# KiCad board V1.1_version_control_final.kicad_pcb (continued)
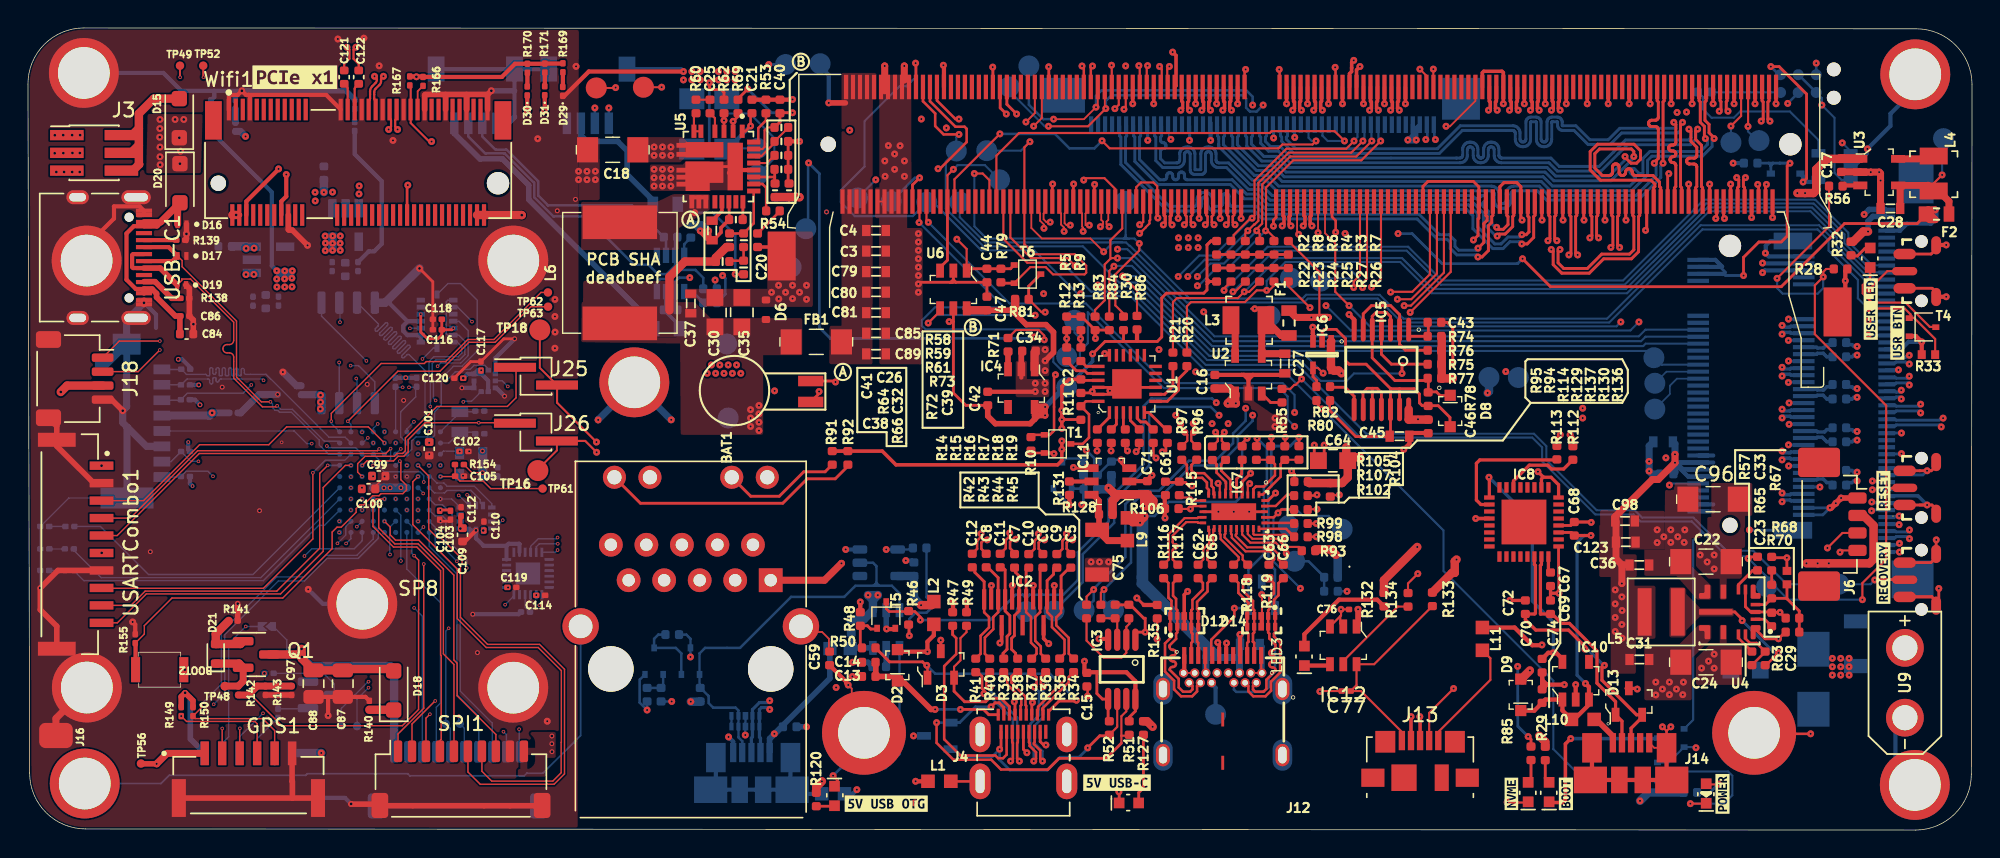
[diagram p0: board, top side]
## Routing (per net, layer and track width the routed paths; a pad name or vN(x,y) marks a point on that pad's centre or on a via; arc(x,y) is an arc through that point) (continued)
/NextPx4/SDMMC1_D2: length 21.3
  Bottom w0.1: U22.B9 22.67,28.12 21.52,28.12 17.02,32.61 15.58,32.61 arc(15.5,32.65) 15.47,32.73 15.47,32.92 arc(15.44,33) 15.36,33.04 arc(15.28,33) 15.24,32.92 15.24,32.56 arc(15.23,32.53) 15.19,32.51 15.07,32.51 arc(15.03,32.53) 15.02,32.56 15.02,32.96 arc(14.99,33.04) 14.91,33.08 arc(14.83,33.04) 14.79,32.96 14.79,32.56 arc(14.78,32.53) 14.74,32.51 14.62,32.51 arc(14.58,32.53) 14.57,32.56 14.57,32.97 arc(14.54,33.05) 14.46,33.09 arc(14.38,33.05) 14.34,32.97 14.34,32.56 arc(14.33,32.53) 14.29,32.51 14.17,32.51 arc(14.13,32.53) 14.12,32.56 14.12,32.98 arc(14.09,33.06) 14.01,33.09 arc(13.93,33.06) 13.89,32.98 13.89,32.56 arc(13.88,32.53) 13.84,32.51 13.72,32.51 arc(13.68,32.53) 13.67,32.56 13.67,32.98 arc(13.64,33.06) 13.56,33.09 arc(13.48,33.06) 13.44,32.98 13.44,32.73 arc(13.41,32.65) 13.33,32.61 arc(13.25,32.65) 13.22,32.73 13.22,32.98 arc(13.19,33.06) 13.11,33.09 arc(13.03,33.06) 12.99,32.98 12.99,32.56 arc(12.98,32.53) 12.94,32.51 12.82,32.51 arc(12.78,32.53) 12.77,32.56 arc(12.76,32.6) 12.72,32.61 11.33,32.61 R161.1 10.94,32.97 SDCard1.1
/NextPx4/SDMMC1_D3: length 18.2
  In3_SIGNAL.Cu w0.1: v4(24.3,28.07) 21.65,28.07 17.53,32.19 v4(16.84,32.19)
  Bottom w0.1: v4(16.84,32.19) 16.75,32.28 13.78,32.28 arc(13.7,32.25) 13.67,32.18 arc(13.64,32.1) 13.56,32.07 13.55,32.07 arc(13.47,32.1) 13.44,32.18 13.44,32.33 arc(13.43,32.37) 13.39,32.38 13.27,32.38 arc(13.23,32.37) 13.22,32.33 13.22,32.04 arc(13.18,31.96) 13.1,31.92 arc(13.03,31.96) 12.99,32.04 12.99,32.17 arc(12.96,32.25) 12.88,32.28 11.36,32.28 R162.1 10.93,31.87 SDCard1.2 ; U22.B8 23.93,27.7 v4(24.3,28.07)
/NextPx4/SPI1_MISO: length 12.8
  In3_SIGNAL.Cu w0.1: v4(27.89,22.1) 27.89,21.41 29.45,19.85 31.09,19.85 34.32,16.62 34.32,16.62 34.85,16.09 v4(36.57,16.09)
  Bottom w0.1: v4(36.57,16.09) 36.27,16.09 35.95,16.42 U26.9
/NextPx4/SPI1_MOSI: length 12.2
  In3_SIGNAL.Cu w0.1: v4(28.28,21.69) 28.28,21.34 29.54,20.08 37.83,20.08 v4(37.87,20.04)
  Bottom w0.1: U26.24 37.72,19.89 v4(37.87,20.04) ; U22.K3 v4(28.28,21.69)
/NextPx4/SPI1_SCK: length 13.4
  In3_SIGNAL.Cu w0.1: v4(37.88,20.49) 29.7,20.49 28.65,21.53 28.65,22.14 v4(27.89,22.9)
  Bottom w0.1: U26.23 36.35,20.27 36.57,20.49 v4(37.88,20.49)
/NextPx4/SPI2_MISO: length 5.6
  Bottom w0.1: U24.1 33.17,23.37 31.91,24.62 29.96,24.62 29.74,24.84 29.23,24.84 28.77,25.3 U22.E2
/NextPx4/SPI2_MOSI: length 4.7
  Bottom w0.1: U22.F2 29.07,24.12 29.78,24.12 29.97,24.31 31.26,24.31 31.27,24.31 31.67,24.31 32.34,23.65 32.34,23.42 U24.14
/NextPx4/SPI2_SCK: length 9.6
  In3_SIGNAL.Cu w0.1: v4(31.4,23.99) 30.48,24.91 v4(28.3,24.91)
  Bottom w0.1: U22.C7 25.16,26.44 25.16,25.96 25.48,25.64 28.03,25.64 28.3,25.37 v4(28.3,24.91) ; U24.13 32.04,23.5 31.54,23.99 v4(31.4,23.99)
/NextPx4/SPI3_MISO: length 15.3
  In3_SIGNAL.Cu w0.1: v4(25.49,28.5) 27.67,30.68 29.08,30.68 v4(29.15,30.75)
  Bottom w0.1: 30.41,37.92 30.02,37.92 29.9,37.8 29.9,35.54 30.02,35.42 30.81,35.42 31.24,34.98 31.24,34.05 30.85,33.65 29.17,33.65 28.9,33.39 28.9,32.31 28.99,32.22 28.99,30.9 v4(29.15,30.75)
/NextPx4/SPI3_MOSI: length 11.9
  In3_SIGNAL.Cu w0.1: v4(28.77,30.31) 28.77,30.3 28.06,29.59 27.44,29.59 26.7,28.85 26.7,27.32 v4(26.66,27.28) 26.67,27.28
  Bottom w0.1: v4(26.66,27.28) 26.29,26.91 U22.C5 ; 30.41,34.92 30.7,34.92 31.02,34.6 31.02,34.14 30.76,33.88 29.02,33.88 28.68,33.54 28.68,32.22 28.77,32.13 v4(28.77,30.31)
/NextPx4/SPI3_SCK: length 9
  In3_SIGNAL.Cu w0.1: v4(28.21,33.72) 26.49,33.72 25.57,32.8 25.57,29.63 v4(25.01,29.07)
  Bottom w0.1: v4(28.21,33.72) 28.99,34.5 U25.8 ; U22.A7 24.69,28.75 v4(25.01,29.07)
/NextPx4/SPI4_MISO: length 37.9
  Top w0.1: SPI1.6 31.46,4.16 32.33,3.28 37.62,3.28 38.36,4.02 38.36,11.5 36.58,13.29 32.86,13.29 30.92,15.23 30.92,18.96 31.04,19.08 31.04,19.4 29.55,20.89 29.3,20.89 28.65,21.53 28.65,25.34 v4(27.89,26.1)
/NextPx4/SPI4_MOSI: length 35.6
  Top w0.1: v4(27.89,25.3) 27.52,24.93 27.52,21.86 30.7,18.68 30.7,15.13 32.77,13.06 36.49,13.06 38.14,11.41 38.14,6.28 38.13,6.27 38.13,4.11 37.53,3.51 33.16,3.51 32.46,4.21 SPI1.7
/NextPx4/SPI4_SCK: length 20.7
  Top w0.1: v4(25.49,22.1) 25.9,21.69 25.9,21.13 26.28,20.75 27.95,20.75 30.45,18.24 30.45,12.17 30.68,11.94 30.68,9.61 33.46,6.84 SPI1.8
/NextPx4/SWDIO: length 20.6
  Top w0.1: TP62.1 36.69,38.48 33.32,35.11 31.45,35.11 29.87,33.53 28.48,33.53 28.34,33.39 25.26,33.39 21.69,29.82 v4(21.69,29.26)
  Bottom w0.1: v4(21.69,29.26) 21.69,29.1 U22.A10
/NextPx4/UART4_RX: length 35.7
  Top w0.1: v4(23.9,26.09) 24.22,26.41 26.14,26.41 26.47,26.75 26.88,26.75 27.19,27.06 27.19,27.94 28.4,29.15 v4(32.23,29.15) 34.79,29.15 J26.1 ; J18.2 7.88,32.81 v4(9.43,34.36)
  In3_SIGNAL.Cu w0.1: v4(23.9,26.09) 23.51,25.7 21.2,25.7 12.53,34.37 9.44,34.37 v4(9.43,34.36)
/NextPx4/UART4_TX: length 41.2
  Top w0.1: J25.1 34.9,33.05 34.9,30.94 34.28,30.32 29.24,30.32 26.98,28.06 26.98,27.15 26.79,26.95 26.39,26.95 26.19,26.75 24.1,26.75 23.57,26.22 23.57,25.62 v4(23.89,25.3) ; v4(9.43,35) 6.53,35 J18.1
  In3_SIGNAL.Cu w0.1: v4(23.89,25.3) 24.27,25.68 24.27,26.25 24.06,26.46 23.51,26.46 23.51,26.46 20.77,26.46 12.23,35 v4(9.43,35)
/NextPx4/UART5_RX: length 23
  In3_SIGNAL.Cu w0.1: v4(15.57,14.57) 15.57,15.8 18.28,18.51 18.67,18.51 v4(19.77,19.61)
  Bottom w0.1: v4(19.77,19.61) 20.29,20.13 23.33,20.13 23.89,20.69 U22.K8 ; U23.2 v4(15.57,14.57) 14.35,13.35 14.35,6.67 13.88,6.2 RC1.5
/NextPx4/UART5_TX: length 31
  In3_SIGNAL.Cu w0.1: v4(23.52,21.72) 23.52,20.36 23.72,20.16 27.82,20.16 28.84,19.14 28.84,13.58 23.86,8.6 17.05,8.6 v4(16.8,8.35)
  Bottom w0.1: v4(16.8,8.35) 15.13,6.68 RC1.4 ; 23.89,22.09 v4(23.52,21.72)
  Bottom w0.125: U22.J8 23.89,22.09
/NextPx4/UART7_RX: length 29.6
  Top w0.1: GPS1.2 v4(13.89,7.27)
  In3_SIGNAL.Cu w0.1: v4(13.89,7.27) 13.89,8.11 15.09,9.31 17.58,9.31 17.68,9.21 23.9,9.21 28.44,13.74 28.44,17.49 v4(26.67,19.26)
  Bottom w0.1: 26.66,19.26 26.66,22.53 U22.H5
  Bottom w0.125: v4(26.67,19.26) 26.66,19.26
/NextPx4/UART7_TX: length 28.2
  Top w0.1: v4(15.15,7.28) 15.14,7.27 GPS1.3
  In3_SIGNAL.Cu w0.1: v4(15.15,7.28) 16.76,8.89 23.87,8.89 28.64,13.66 28.64,17.92 26.84,19.72 v4(25.89,19.72)
  Bottom w0.1: U22.J5 25.86,21.67 25.86,19.75
  Bottom w0.125: v4(25.89,19.72) 25.86,19.75
/NextPx4/USART1_CK: length 25.2
  Top w0.1: v4(23.1,26.1) 22.69,26.1 21.11,24.52 21.11,19.95 18.06,16.9 8.46,16.9 6.39,14.83 USARTCombo1.10
  Bottom w0.125: U22.D9 v4(23.1,26.1)
/NextPx4/USART1_RX: length 24.3
  Top w0.1: v4(21.43,26.1) 20.86,25.53 20.86,20.17 17.79,17.1 8.38,17.1 7.36,16.08 USARTCombo1.9
  Bottom w0.125: v4(21.43,26.1) 21.43,26.1 U22.D10
/NextPx4/USART1_TX: length 24.6
  Top w0.1: USARTCombo1.8 5.29,17.3 16.83,17.3 20.37,20.84 v4(20.37,25.57)
  Bottom w0.1: v4(20.37,25.57) 21.27,26.47 22.66,26.47 U22.C9
/NextPx4/USART2_CK: length 24.6
  Top w0.1: USARTCombo1.5 6.38,21.08 12.25,26.95 25.58,26.95 v4(25.93,27.3)
  Bottom w0.1: U22.D6 25.93,26.54 v4(25.93,27.3)
/NextPx4/USART2_RX: length 22.4
  Top w0.1: v4(25.12,27.28) 24.99,27.15 12.13,27.15 7.31,22.33 USARTCombo1.4
  Bottom w0.1: U22.C6 v4(25.12,27.28)
/NextPx4/USART2_TX: length 22.9
  Top w0.1: 5.25,23.57 USARTCombo1.3 8.27,23.58 12.27,27.58 17.22,27.58 18.49,28.85 24.34,28.85 v4(25.49,27.7)
/NextPx4/USART3_CK: length 20.7
  In3_SIGNAL.Cu w0.1: v4(23.09,22.9) 23.09,20.31 23.64,19.76 25.33,19.76 28.23,16.86 28.23,13.83 24.6,10.19 v4(24.35,10.19)
  Bottom w0.1: TP67.1 23.53,9.37 v4(24.35,10.19)
/NextPx4/USART3_RX: length 20.5
  In3_SIGNAL.Cu w0.1: v4(22.13,20.52) 23.33,19.32 25.2,19.32 27.61,16.92 27.61,15.9 v4(27.61,15.9)
  Bottom w0.1: v4(22.13,20.52) 22.72,21.11 22.72,21.73 U22.J9 ; DSHOT1.8 28.2,15.31 v4(27.61,15.9)
/NextPx4/USART3_TX: length 19.7
  In3_SIGNAL.Cu w0.1: v4(22.75,20.51) 22.75,20.37 23.6,19.52 25.29,19.52 28.03,16.77 28.03,13.93 24.72,10.62 v4(24.35,10.62)
  Bottom w0.1: v4(22.75,20.51) 23.09,20.86 U22.K9 ; v4(24.35,10.62) 24.32,10.62 22.4,8.7 TP59.1
/NextPx4/USB_OTG_FS_D_N: length 25.6
  Top w0.1: v4(17.34,30.65) 16.69,30.65 14.91,32.43 14.91,36.43 11.02,40.32 11.02,40.76 D17.2
  Top w0.3: USB-C1.A7 10.33,40.72 D17.2 10.06,41.72 USB-C1.B7
  Bottom w0.1: U22.C10 21.49,26.9 20.82,27.57 20.82,27.92 18.83,29.91 17.99,29.91 17.85,30.04 17.68,30.04 17.49,30.23 17.49,30.5 v4(17.34,30.65)
/NextPx4/USB_OTG_FS_D_P: length 25.6
  Top w0.1: v4(17.81,30.37) 17.74,30.29 16.77,30.29 14.71,32.35 14.71,33.85 arc(14.62,34.06) 14.41,34.15 14.24,34.15 arc(14.03,34.24) 13.94,34.45 arc(14.03,34.66) 14.24,34.75 14.41,34.75 arc(14.62,34.84) 14.71,35.05 14.71,36.35 11.62,39.44 11.62,39.44 11,39.44 11,39.34 D19.2
  Top w0.3: USB-C1.B6 7.52,40.22 7.45,40.3 7.45,41.15 7.52,41.22 USB-C1.A6
  Top w0.4: D19.2 9.45,40.22 USB-C1.B6
  Bottom w0.1: v4(17.81,30.37) 18.07,30.11 18.91,30.11 21.19,27.83 22.16,27.83 U22.B10
/SoM/PMIC_BBAT: length 29.8
  Top w0.18: v1(65.08,47.33) 65.21,47.33 67.12,49.24 67.12,50.19 66.97,50.34 66.32,50.34 64.5,52.16 M1.235
  Top w0.2: v1(57.74,32.07) 57.67,32.14 BAT1.+
  In3_SIGNAL.Cu w0.2: v1(57.74,32.07) 60.15,32.07 61.37,33.29 61.37,42.29 65.08,46 v1(65.08,47.33)
/Supply/\~{PWR_SET}: length 2.9
  Top w0.2: IC5.1 98.73,35.34 100.13,35.34 100.13,36.34
/Supply/FAN_PMW_5V: length 81.4
  Top w0.15: v1(129.57,19.89) 129.69,20.01 J6.4 ; v1(64.37,36.29) 65.22,37.14 U6.4
  In3_SIGNAL.Cu w0.15: v1(111.17,29.49) 111.77,28.89 117.67,28.89 126.92,19.64 129.32,19.64 v1(129.57,19.89)
  In5_3V3_SYS_SIGNAL.Cu w0.125: v1(111.17,29.49) 106.67,33.99 90.07,33.99 89.52,34.54 89.52,39.04 88.17,40.39 81.87,40.39 77.82,36.34 72.53,36.34 v1(72.02,36.85)
  Bottom w0.15: v1(64.37,36.29) 64.95,36.87 72,36.87 v1(72.02,36.85)
/Supply/FAN_TACH_5V: length 74.9
  Top w0.15: v1(72.74,37.07) 72.48,37.07 R81.1 ; J6.3 129.74,21.26 v1(128.67,20.19)
  Top w0.2: R81.1 71.55,38.92 T6.3
  In3_SIGNAL.Cu w0.15: v1(128.67,20.19) 126.87,20.19 117.87,29.19 112.17,29.19 v1(111.17,30.19)
  In5_3V3_SYS_SIGNAL.Cu w0.125: v1(111.17,30.19) 110.87,30.19 106.77,34.29 90.22,34.29 89.82,34.69 89.82,39.14 88.27,40.69 81.62,40.69 77.92,36.99 72.81,36.99 v1(72.74,37.07)
/Supply/Q: length 12.9
  Top w0.2: IC5.3 97.43,36.76 97.13,37.05 96.4,37.05 96.12,36.77 96.12,35.82 IC5.5 96.12,35.8 96.12,33.8 97.74,32.18 99.95,32.18 100.13,32.35 100.13,31.36 100.16,31.33 100.18,31.36 100.71,31.36 100.98,31.1 101.68,31.1
/Supply/QDEL: length 24.9
  Top w0.2: 97.43,31.6 95.69,33.34 94.47,33.34 94.21,33.6 94.21,35.17 93.55,35.83 92.69,35.83 92.54,35.68 IC6.2 ; 97.43,31.6 IC5.12 97.43,28.43 97.16,28.16 94.95,28.16 93.07,30.04 93.07,30.65 93.09,30.68 ; 97.43,31.6 97.44,31.59 98.08,31.59 ; IC5.13 98.08,31.59 ; 98.08,31.59 99.12,31.59 99.5,31.21 99.5,30.57 99.7,30.37 100.84,30.37 101.68,29.53 101.68,28.99
/Supply/VDRV_5V_DCDC: length 1.6
  Top w0.25: 48.92,43.61 49.62,44.31 49.62,44.96
/USB/C_CC1: length 21.8
  Top w0.18: v1(89.89,28.11) 89.89,27.49 89.87,27.46 ; v1(87.89,28.03) 87.89,27.51 87.84,27.46 ; J12.A5 84.61,12.56 84.61,13.62 86.26,15.27 v1(86.26,15.88)
  In2.Cu w0.18: v1(89.89,28.11) 89.27,27.48 88.44,27.48 v1(87.89,28.03)
  Bottom w0.18: v1(86.26,15.88) 86.27,15.89 D11.2 87.27,18.64 88.37,19.74 88.37,24.5 88.59,24.72 88.59,27.33 v1(87.89,28.03)
/USB/C_CC2: length 25.5
  Top w0.2: v1(88.9,28.11) 88.9,27.51 88.85,27.46 ; 90.88,27.47 v1(90.88,28.11)
  Bottom w0.18: 88.94,18.86 89.17,18.64 D11.1 89.17,11.34 88.72,10.89 88.72,10.24 88.37,9.89 86.39,9.89 86.23,10.05 J12.B5
  Bottom w0.2: 89.16,27.48 90.26,27.48 v1(90.88,28.11) ; 89.16,27.48 89.03,27.48 88.9,27.36 ; 89.16,27.48 89.04,27.48 88.9,27.62 ; 88.9,27.62 v1(88.9,28.11) ; 88.9,27.62 88.9,27.36 ; 88.9,27.36 88.9,24.59 88.68,24.37 88.68,19.13 88.94,18.86
/USB/C_USBSS_RX1_N: length 11.4
  Top w0.182: J12.B10 83.6,10.31 83.6,9.92 83.25,9.57 82.45,9.57 81.95,10.07 81.95,10.69 81.3,11.34 81.3,13.36 81.76,13.82 81.76,14.06 81.68,14.14 81.68,15.74 81.76,15.82 81.76,16.41 81.55,16.63 81.55,17.68 R116.2
/USB/C_USBSS_RX1_P: length 11.4
  Top w0.182: J12.B11 83.26,10.31 83.26,10.06 83.11,9.91 82.59,9.91 82.29,10.21 82.29,10.82 81.64,11.47 arc(81.7,11.62) 81.84,11.68 81.88,11.68 arc(82.03,11.74) 82.09,11.88 arc(82.03,12.02) 81.88,12.08 81.84,12.08 arc(81.7,12.14) 81.64,12.29 arc(81.7,12.43) 81.84,12.49 81.88,12.49 arc(82.03,12.55) 82.09,12.69 arc(82.03,12.84) 81.88,12.9 81.84,12.9 arc(81.7,12.96) 81.64,13.1 81.64,13.22 82.1,13.68 82.1,14.06 82.18,14.14 82.18,15.74 82.1,15.82 82.1,16.55 81.88,16.77 81.88,17.68 R117.2
/USB/C_USBSS_RX2_N: length 6.1
  Top w0.182: R118.2 86.55,17.69 86.55,16.98 87.26,16.26 87.26,15.82 87.18,15.74 87.18,14.14 87.26,14.06 87.26,13.48 87.18,13.4 J12.A10
/USB/C_USBSS_RX2_P: length 6.1
  Top w0.182: R119.2 86.88,17.69 86.88,17.11 87.6,16.4 87.6,15.82 87.68,15.74 87.68,14.14 87.6,14.06 87.6,13.48 87.68,13.4 J12.A11
/USB/C_USBSS_RX6_N: length 3.7
  Top w0.182: R97.2 82.87,26.13 82.87,25.61 83.27,25.21 83.97,25.21 84.3,24.87 84.3,24.49 84.44,24.35 84.44,24.03 IC7.10
/USB/C_USBSS_RX6_P: length 3.8
  Top w0.182: R96.2 83.2,26.13 83.2,25.75 83.4,25.54 84.1,25.54 84.63,25.01 84.63,24.63 84.77,24.48 84.77,24.03 IC7.9
/USB/C_USBSS_TX1_N: length 6.1
  Top w0.182: C65.1 84.34,17.68 84.34,17.08 83.6,16.33 83.6,15.82 83.68,15.74 83.68,14.14 83.6,14.06 83.6,13.48 83.68,13.4 J12.A3
/USB/C_USBSS_TX1_P: length 6.1
  Top w0.182: C62.1 84.01,17.68 84.01,17.22 83.26,16.47 83.26,15.82 83.18,15.74 83.18,14.14 83.26,14.06 83.26,13.48 83.18,13.4 J12.A2
/USB/C_USBSS_TX2_N: length 11.5
  Top w0.182: J12.B3 87.26,10.31 87.26,9.92 87.61,9.57 88.49,9.57 88.89,9.97 88.89,10.62 89.54,11.27 89.54,13.41 89.1,13.85 89.1,14.06 89.18,14.14 89.18,15.74 89.1,15.82 89.1,16.48 89.42,16.8 89.42,17.67 C66.1
/USB/C_USBSS_TX2_P: length 11.5
  Top w0.182: J12.B2 87.6,10.31 87.6,10.06 87.75,9.91 88.35,9.91 88.55,10.11 88.55,10.76 89.2,11.41 89.2,11.45 arc(89.14,11.59) 89,11.65 88.96,11.65 arc(88.81,11.71) 88.75,11.85 arc(88.81,12) 88.96,12.06 89,12.06 arc(89.14,12.12) 89.2,12.26 arc(89.14,12.4) 89,12.46 88.96,12.46 arc(88.81,12.52) 88.75,12.67 arc(88.81,12.81) 88.96,12.87 89,12.87 arc(89.14,12.93) 89.2,13.07 89.2,13.27 88.76,13.71 88.76,14.06 88.68,14.14 88.68,15.74 88.76,15.82 88.76,16.62 89.09,16.94 89.09,17.67 C63.1
/USB/C_USBSS_TX6_N: length 2.9
  Top w0.182: R95.2 84.99,26.18 84.99,25.59 85.66,24.92 85.66,24.83 85.66,24.83 85.66,24.4 85.62,24.36 IC7.7
/USB/C_USBSS_TX6_P: length 2.9
  Top w0.182: IC7.6 86.02,24.36 85.99,24.39 85.99,25.06 85.32,25.72 85.32,26.18 R94.2
/USB/CC1: length 5.1
  Top w0.15: IC7.2 87.62,24.42 ; 87.84,26.5 88.85,26.5
  Top w0.18: R137.2 89.16,26.19 89.16,25.38 88.37,24.59 87.81,24.59 87.62,24.4 IC7.2
/USB/CC2: length 4.4
  Top w0.15: 90.88,26.51 90.87,26.5 89.87,26.5
  Top w0.18: IC7.1 88.29,24.01 89.57,25.29 89.57,26.2 R130.1
/USB/DBG_USB_D_N: length 16.6
  Top w0.23: IC8.15 108.22,19.01 108.15,18.94 108.15,15.47 108.15,15.46 C69.2 108.99,15.46 109.67,14.79 110.22,14.79 112.19,12.82 112.19,10.52 113.52,9.19 D13.1 113.98,7.79 J14.2
/USB/DBG_USB_D_P: length 19.6
  Top w0.23: IC8.14 107.72,19.01 107.79,18.94 107.79,15.53 107.73,15.46 C70.2 107.07,15.06 107.81,14.31 110.16,14.31 111.33,13.14 v1(111.33,12.95) ; 112.67,11.79 112.55,11.67 112.55,10.72 115.02,8.25 D13.2 115.42,8.07 114.63,7.28 J14.3
  Bottom w0.23: 112.67,11.79 111.51,12.95 v1(111.33,12.95)
  vias: v1(112.72,11.79)
/USB/EN_MUX: length 12
  Top w0.15: 92.12,22.98 92.1,22.96 91.5,22.96 ; IC7.12 83.33,23.18 v1(83.13,22.98) 82.4,22.98
  In2.Cu w0.15: v1(92.18,22.96) 91.75,23.39 88.57,23.39 88.27,23.69 83.83,23.69 v1(83.13,22.98)
/USB/OTG_USB_ID: length 30.3
  Bottom w0.18: 60.67,17.69 60.67,18.89 60.43,19.13 U8.2 ; 60.67,17.69 60.87,17.49 ; 60.67,17.69 60.47,17.49 ; 60.67,17.69 60.67,17.49 ; 60.87,17.49 61.77,17.49 62.32,16.94 IC9.3 ; 60.87,17.49 60.67,17.49 ; 60.47,17.49 59.17,17.49 58.37,16.69 54.57,16.69 50.92,13.04 48.42,13.04 48.02,12.64 T7.1 48.02,10.22 R108.1 ; 60.47,17.49 60.67,17.49 ; R108.1 48.08,10.17 48.67,9.59 48.67,9.09 48.99,8.76 50.59,8.76 50.8,8.55 D10.4 50.8,6.63 51.08,6.36 J11.4 ; R108.1 48.05,10.17
/USB/OTG_USB_VBUS: length 27.6
  In5_3V3_SYS_SIGNAL.Cu w0.18: v1(46.03,9.2) 46.65,9.2 49.77,6.09 52.57,6.09 v1(53.37,6.89)
  Bottom w0.18: v1(46.03,9.2) R110.1
  Bottom w0.3: 57.34,10.86 v1(53.37,6.89) 53.48,6.89 C73.2 53.03,6.43 J11.1
  Bottom w0.4: J11.1 53.03,6.55 57.34,10.86 L7.2
/USB/USB2_VBUS: length 14.7
  Top w0.15: R133.2 96.26,11.87 IC12.6 95,10.37 C77.1 95.31,9.95 98.24,7.02 J13.1
/USB/USB_DBG_VBUS: length 2.3
  Top w0.4: L10.1 112.14,7.92 113.33,6.73 J14.1
/USB/USBC_ADDR: length 8.6
  Top w0.15: v1(89.97,19.82) 89.22,20.57 87.41,20.57 86.82,21.15 IC7.22
  Bottom w0.18: TP44.1 91.57,19.24 92.68,18.12 92.68,17.09
  Bottom w0.2: v1(89.97,19.82) 89.99,19.82 TP44.1
/USB/USBC_FAULT: length 3.6
  Top w0.15: v1(89.82,20.99) 89.68,21.13 87.68,21.13 87.62,21.18 IC7.24
  Bottom w0.18: v1(89.82,20.99) 89.82,21.39 90.12,21.69 TP46.1
/USB/USBC_ID: length 43.5
  Top w0.18: 90.53,22.94 89.63,22.94 v1(89.39,22.7) 89.07,22.38 IC7.27
  In5_3V3_SYS_SIGNAL.Cu w0.18: v1(90.99,17.3) 90.68,17.61 86.57,17.61 81.84,12.88 78.9,12.88 77.83,13.95 77.83,20.81 v1(75.34,23.3)
  Bottom w0.15: TP45.1 93.02,22.49 91.17,22.49 90.67,22.99 89.68,22.99 v1(89.39,22.7) 89.06,22.37 89.06,19.23 v1(90.99,17.3)
  Bottom w0.18: R123.1 75.47,24.89 ; 75.47,24.89 75.47,24.47 ; 75.47,24.89 75.47,23.43 v1(75.34,23.3)
  Bottom w0.2: T9.1 75.43,24.44 75.47,24.47
/USB/USBC_INTN: length 4.7
  Top w0.15: 91.09,20.07 90.89,20.27 89.91,20.27 89.33,20.85 87.56,20.85 87.22,21.18 IC7.23
/USB/USBC_SCL: length 2.1
  Top w0.18: IC7.26 90.49,21.98 90.53,21.94
/USB/USBC_SDA: length 2.7
  Top w0.18: IC7.25 89.97,21.56 90.53,20.99
/USB/USBC_VBUS: length 60.2
  Top w0.15: 80.75,15.15 80.75,13.68 v1(80.74,13.67)
  Top w0.18: J12.A4 84.18,11.29 J12.B9 ; v1(87.17,28.04) 86.82,27.69 R114.2
  Top w0.3: 86.8,27.49 86.82,27.46 ; J12.A9 86.67,12.51 v1(86.67,14)
  Top w0.5: L9.2 78.66,22.4 79.69,22.4 79.76,22.32 ; L9.2 78.75,22.48 v1(79.86,22.48) 79.86,22.38 79.5,22.03 ; L9.2 78.97,21.99 v1(79.52,21.99)
  In3_SIGNAL.Cu w0.15: v1(80.74,13.67) 80.74,12.62 81.37,11.99 83.89,11.99 84.23,11.65 J12.B9
  Bottom w0.18: v1(87.17,28.04) 86.82,27.69 86.82,23.94 86.37,23.49 81.57,23.49 80.56,22.48 v1(79.86,22.48)
  Bottom w0.5: J12.B4 86.63,12.35 ; 86.63,12.35 86.63,13.25 C78.2 86.67,14 v1(86.67,14) ; 86.63,12.35 85.58,12.35 ; J12.B9 84.23,12.35 ; 84.23,12.35 84.23,12.45 ; 84.23,12.35 85.58,12.35 ; 84.23,12.45 84.88,12.45 ; 84.23,12.45 84.23,12.9 ; 79.52,18.09 79.52,17.61 79.98,17.15 ; 79.52,18.09 79.52,22.08 79.84,22.4 ; 79.52,18.09 85.02,12.59 ; 85.02,12.59 84.88,12.45 ; 85.02,12.59 85.26,12.35 85.58,12.35 ; 84.88,12.45 84.68,12.45 84.23,12.9 ; v1(79.86,22.48) 79.86,17.27 79.98,17.15 ; 84.23,12.9 79.98,17.15
/USB/USBSS_RX1_N: length 5.3
  Top w0.16: R116.1 81.57,19.36 81.57,21.19 82.7,22.33 83.63,22.33 83.68,22.38 IC7.14
/USB/USBSS_RX1_P: length 5.3
  Top w0.16: R117.1 81.86,19.36 81.86,20.03 arc(81.9,20.13) 82,20.17 82.07,20.17 arc(82.17,20.21) 82.21,20.31 arc(82.17,20.41) 82.07,20.45 82,20.45 arc(81.9,20.5) 81.86,20.6 81.86,21.07 82.82,22.04 83.63,22.04 83.68,21.98 IC7.15
/USB/USBSS_RX2_N: length 3.3
  Top w0.16: IC7.18 85.22,21.21 85.28,21.15 85.28,20.83 86.57,19.54 86.57,19.36 R118.1
/USB/USBSS_RX2_P: length 3.3
  Top w0.16: IC7.19 85.62,21.21 85.56,21.15 85.56,20.95 86.86,19.65 86.86,19.36 R119.1
/USB/USBSS_TX1_N: length 2.9
  Top w0.16: C65.2 84.32,19.36 84.32,19.99 84.75,20.42 84.75,21.51 IC7.17
/USB/USBSS_TX1_P: length 2.9
  Top w0.16: IC7.16 84.47,21.51 84.47,20.54 84.04,20.11 84.04,19.36 C62.2
/USB/USBSS_TX2_N: length 5
  Top w0.16: IC7.21 86.42,21.21 86.36,21.15 86.36,21.05 87.18,20.23 88.93,20.23 89.39,19.77 89.39,19.37 C66.2
/USB/USBSS_TX2_P: length 5
  Top w0.16: C63.2 89.11,19.37 89.11,19.65 88.81,19.95 87.06,19.95 86.08,20.93 86.08,21.15 86.02,21.21 IC7.20
/USB/~{OTG_USB_FAULT}: length 13.6
  Top w0.2: 57.87,3.37 57.87,3.59 v1(57.57,3.89)
  Bottom w0.18: v1(57.57,3.89) 58.12,4.44 61.32,4.44 62.32,5.44 IC9.4
/USB/~{USB2_FAULT}: length 1.9
  Top w0.15: 93,11.77 IC12.4
  Top w0.3: LED3.2 93,11.77
/Wifi Module/LED 1: length 24.9
  Top w0.3: 15.62,44.02 15.62,45 17.92,47.3 v1(17.92,47.32) ; D30.1 35.7,51.5 v1(35.71,51.49)
  In3_SIGNAL.Cu w0.3: v1(35.71,51.49) 22.09,51.49 v1(17.92,47.32)
/Wifi Module/LED 2: length 24.5
  Top w0.3: 18.12,44.02 18.12,45 18.47,45.35 v1(18.47,46.92) ; 36.95,52.59 36.95,51.5 v1(36.94,51.49)
  In3_SIGNAL.Cu w0.3: v1(36.94,51.49) 36.41,50.96 22.51,50.96 v1(18.47,46.92)
/Wifi Module/WAKE: length 1.8
  Top w0.125: R166.2 27.87,52.88 27.87,51.57
\PEWAKE_3V3: length 56.2
  Top w0.15: 78.5,53.18 78.5,51.72 v1(78.37,51.59)
  In2.Cu w0.15: v1(77.91,41.57) 77.91,41.95 78.07,42.11 78.07,51.29 v1(78.37,51.59)
  Bottom w0.15: v1(77.91,41.57) 78.61,41.57 84.84,35.34 115.18,35.34 115.65,35.81 J7.54
CAN_RXD: length 54.7
  Top w0.18: v1(89.47,54.44) 89.5,54.41 M1.143
  In2.Cu w0.15: v1(49.13,39.37) 49.22,39.45 49.22,40.84 53.07,44.69 53.07,52.69 54.47,54.09 85.97,54.09 86.87,54.99 89.27,54.99 89.47,54.79 v1(89.47,54.44)
  Bottom w0.18: R88.2 49.13,38.86 v1(49.13,39.37)
CAN_TXD: length 52.4
  Top w0.18: v1(87.07,54.44) 87,54.37 M1.145
  In2.Cu w0.15: v1(49.67,39.69) 49.57,39.79 49.57,40.59 53.47,44.49 53.47,52.49 54.77,53.79 86.17,53.79 86.82,54.44 v1(87.07,54.44)
  Bottom w0.18: v1(49.67,39.69) 49.87,39.49 49.87,38.35 R87.2
Core_3V3: length 62.9
  Top w0.1: v3(32.5,25.58) 31.75,25.58 R154.1
  Top w0.138: TP49.1 10.87,53.89 v4(10.88,53.88)
  Top w0.2: v4(29.49,22.91) 30.16,22.91 C103.1 ; 29.59,36.58 C118.1 C116.1 ; C116.1 29.59,35.44 29.31,35.16 28.57,35.16 28.08,35.64 v4(28.08,36.92) ; C116.1 30.3,35.81 v4(30.41,35.92) ; 30.2,22.91 30.25,22.85
  Top w0.3: C112.2 30.92,22.42 v3(30.92,21.58)
  Top w0.4: R150.2 11.8,9.27 v3(11.24,9.83) 10.96,9.55 R149.2
  In5_3V3_SYS_SIGNAL.Cu w0.138: 11.86,33.78 12.25,34.17 12.25,52.51 v4(10.88,53.88)
  Bottom w0.3: U27.10 32.16,32.91 U27.1 ; U27.10 32.42,32.65 32.91,32.16 U27.6 ; U27.10 31.43,32.65 v3(31.12,32.34) ; v4(11.77,24.62) 11.58,24.81 R165.2 ; C94.1 24.37,41.42 24.76,41.42 25.29,41.95 25.29,46.45 23.36,48.38 D22.2 ; U27.1 v4(32.41,32.91) U27.1 ; v3(12.21,31.86) R162.2 ; v4(11.46,27.77) 11.46,27.22 R164.2 ; v3(12.3,30.44) 11.94,30.8 R163.2 ; Y1.1 32.64,25.31 C106.1 ; R161.2 11.6,33.11 11.02,33.69 v3(10.75,33.69) ; R159.1 27.01,32.37 v3(27.01,32.37) 27.01,32.37 R160.1 ; v3(32.5,25.58) v3(32.5,27.13)
  Bottom w0.4: 25.9,24.5 v3(25.9,24.5) 25.89,24.5 ; v3(11.24,9.83) 11.61,9.45 11.61,6.52 RC1.6
  Bottom w0.6: U22.F4 26.67,24.5 v3(26.67,24.51) 26.66,24.5 25.9,24.5 ; 25.89,24.5 25.46,24.5 v3(25.45,24.49) 25.44,24.5 25.11,24.5 U22.F7
  vias: v1(21.25,42.52) v1(21.27,42.01) v1(21.26,41.47) v1(21.79,42.52) v1(21.78,42) v1(21.78,41.49) v1(22.33,42.52) v1(22.32,42) v1(22.33,41.49) v3(11.22,11.48) v3(16.91,11.21) v3(32.55,21.44) v4(23.89,28.48) v4(28.69,27.72) v4(28.68,26.08) v4(29.51,21.28) v4(34.33,17.36) v4(36.35,16.82)
EGND: length 47.9
  Top w0.125: C59.1 57.27,12.82 57.27,13.69 56.79,14.17 55.31,14.17
  Bottom w0.125: SP2.1 9.51,3.33 10.1,3.92 19.86,3.92 19.97,4.03 27.16,4.03 27.31,3.88 35.48,3.88 35.67,4.07 36.82,4.07 39.52,6.77 J10.S
ENET_LED0: length 51.5
  Top w0.2: M1.194 74.75,46.22 v1(74.77,46.24)
  In5_3V3_SYS_SIGNAL.Cu w0.2: J10.13 46.11,26.89 53.37,26.89 54.52,25.74 60.97,25.74 62.62,27.39 62.62,44.24 63.47,45.09 74.42,45.09 74.75,45.42 74.75,46.22 v1(74.77,46.24)
ENET_LED1: length 43.2
  Top w0.2: v1(76.27,46.21) 76.25,46.19 M1.188
  In5_3V3_SYS_SIGNAL.Cu w0.2: v1(76.27,46.21) 74.7,44.64 63.72,44.64 63.07,43.99 63.07,27.19 61.13,25.25 J10.11
ENET_TRD0_N: length 53.4
  Top w0.125: M1.184 77.25,43.67 77.12,43.55 77.12,43.37 v1(77.31,43.18)
  In5_3V3_SYS_SIGNAL.Cu w0.125: v1(77.31,43.18) 77.07,42.94 77.07,42.44 75.8,41.16 69.42,41.16 68.99,40.74 68.99,34.16 69,34.13 69.01,34.09 69.03,34.06 69.06,34.03 69.09,34.01 69.13,33.99 69.17,33.99 69.32,33.99 69.41,33.98 69.5,33.95 69.57,33.9 69.64,33.84 69.69,33.76 69.72,33.68 69.73,33.59 69.73,33.54 69.72,33.45 69.69,33.37 69.64,33.29 69.57,33.23 69.5,33.18 69.41,33.15 69.32,33.14 68.44,33.14 68.4,33.14 68.36,33.12 68.33,33.1 68.3,33.07 68.28,33.04 68.27,33 68.26,32.96 68.27,32.93 68.28,32.89 68.3,32.86 68.33,32.83 68.36,32.81 68.4,32.79 68.44,32.79 69.32,32.79 69.41,32.78 69.5,32.75 69.57,32.7 69.64,32.64 69.69,32.56 69.72,32.48 69.73,32.39 69.73,32.34 69.72,32.25 69.69,32.17 69.64,32.09 69.57,32.03 69.5,31.98 69.41,31.95 69.32,31.94 68.44,31.94 68.4,31.94 68.36,31.92 68.33,31.9 68.3,31.87 68.28,31.84 68.27,31.8 68.26,31.76 68.27,31.73 68.28,31.69 68.3,31.66 68.33,31.63 68.36,31.61 68.4,31.59 68.44,31.59 69.32,31.59 69.41,31.58 69.5,31.55 69.57,31.5 69.64,31.44 69.69,31.36 69.72,31.28 69.73,31.19 69.73,31.14 69.72,31.05 69.69,30.97 69.64,30.89 69.57,30.83 69.5,30.78 69.41,30.75 69.32,30.74 69.17,30.74 69.13,30.74 69.09,30.72 69.06,30.7 69.03,30.67 69.01,30.64 69,30.6 68.99,30.56 68.99,26.84 68.49,26.34 63.25,21.09 54.07,21.09 50.86,17.88 J10.3
ENET_TRD0_P: length 53.4
  Top w0.125: M1.186 76.75,43.67 76.87,43.55 76.87,43.37 v1(76.68,43.18)
  In5_3V3_SYS_SIGNAL.Cu w0.125: v1(76.68,43.18) 76.82,43.05 76.82,42.54 75.7,41.42 69.32,41.42 68.74,40.84 68.74,34.14 68.76,34.05 68.78,33.97 68.83,33.89 68.9,33.83 68.97,33.78 69.06,33.75 69.15,33.74 69.3,33.74 69.34,33.74 69.38,33.72 69.41,33.7 69.44,33.67 69.46,33.64 69.47,33.6 69.48,33.56 69.47,33.53 69.46,33.49 69.44,33.46 69.41,33.43 69.38,33.41 69.34,33.39 69.3,33.39 68.42,33.39 68.33,33.38 68.24,33.35 68.17,33.3 68.1,33.24 68.05,33.16 68.02,33.08 68.01,32.99 68.01,32.94 68.02,32.85 68.05,32.77 68.1,32.69 68.17,32.63 68.24,32.58 68.33,32.55 68.42,32.54 69.3,32.54 69.34,32.54 69.38,32.52 69.41,32.5 69.44,32.47 69.46,32.44 69.47,32.4 69.48,32.36 69.47,32.33 69.46,32.29 69.44,32.26 69.41,32.23 69.38,32.21 69.34,32.19 69.3,32.19 68.42,32.19 68.33,32.18 68.24,32.15 68.17,32.1 68.1,32.04 68.05,31.96 68.02,31.88 68.01,31.79 68.01,31.74 68.02,31.65 68.05,31.57 68.1,31.49 68.17,31.43 68.24,31.38 68.33,31.35 68.42,31.34 69.3,31.34 69.34,31.34 69.38,31.32 69.41,31.3 69.44,31.27 69.46,31.24 69.47,31.2 69.48,31.16 69.47,31.13 69.46,31.09 69.44,31.06 69.41,31.03 69.38,31.01 69.34,30.99 69.3,30.99 69.15,30.99 69.06,30.98 68.97,30.95 68.9,30.9 68.83,30.84 68.78,30.76 68.76,30.68 68.74,30.59 68.74,26.94 68.24,26.44 64.64,22.84 64.62,22.82 64.6,22.81 64.57,22.8 64.54,22.8 64.51,22.81 64.49,22.82 64.47,22.84 64.25,23.05 64.23,23.07 64.2,23.08 64.18,23.09 64.15,23.09 64.12,23.08 64.1,23.07 64.07,23.05 64.06,23.03 64.04,23.01 64.04,22.98 64.04,22.95 64.04,22.92 64.06,22.9 64.07,22.88 64.29,22.66 64.31,22.64 64.32,22.62 64.32,22.59 64.32,22.56 64.32,22.53 64.31,22.51 64.29,22.49 64.27,22.47 64.24,22.46 64.21,22.45 64.19,22.45 64.16,22.46 64.13,22.47 64.11,22.49 63.9,22.7 63.88,22.72 63.85,22.73 63.82,22.74 63.79,22.74 63.77,22.73 63.74,22.72 63.72,22.7 63.7,22.68 63.69,22.65 63.68,22.63 63.68,22.6 63.69,22.57 63.7,22.55 63.72,22.52 63.94,22.31 63.95,22.29 63.96,22.26 63.97,22.23 63.97,22.21 63.96,22.18 63.95,22.15 63.94,22.13 63.91,22.11 63.89,22.1 63.86,22.1 63.83,22.1 63.81,22.1 63.78,22.11 63.76,22.13 63.54,22.35 63.52,22.36 63.5,22.38 63.47,22.38 63.44,22.38 63.41,22.38 63.39,22.36 63.37,22.35 63.35,22.33 63.34,22.3 63.33,22.27 63.33,22.24 63.34,22.22 63.35,22.19 63.37,22.17 63.58,21.96 63.6,21.93 63.61,21.91 63.62,21.88 63.62,21.85 63.61,21.83 63.6,21.8 63.58,21.78 63.14,21.34 52.76,21.34 J10.2